# Altium PCB ir-24v-shit5-7.PcbDoc (part 5 of 6) (continued)
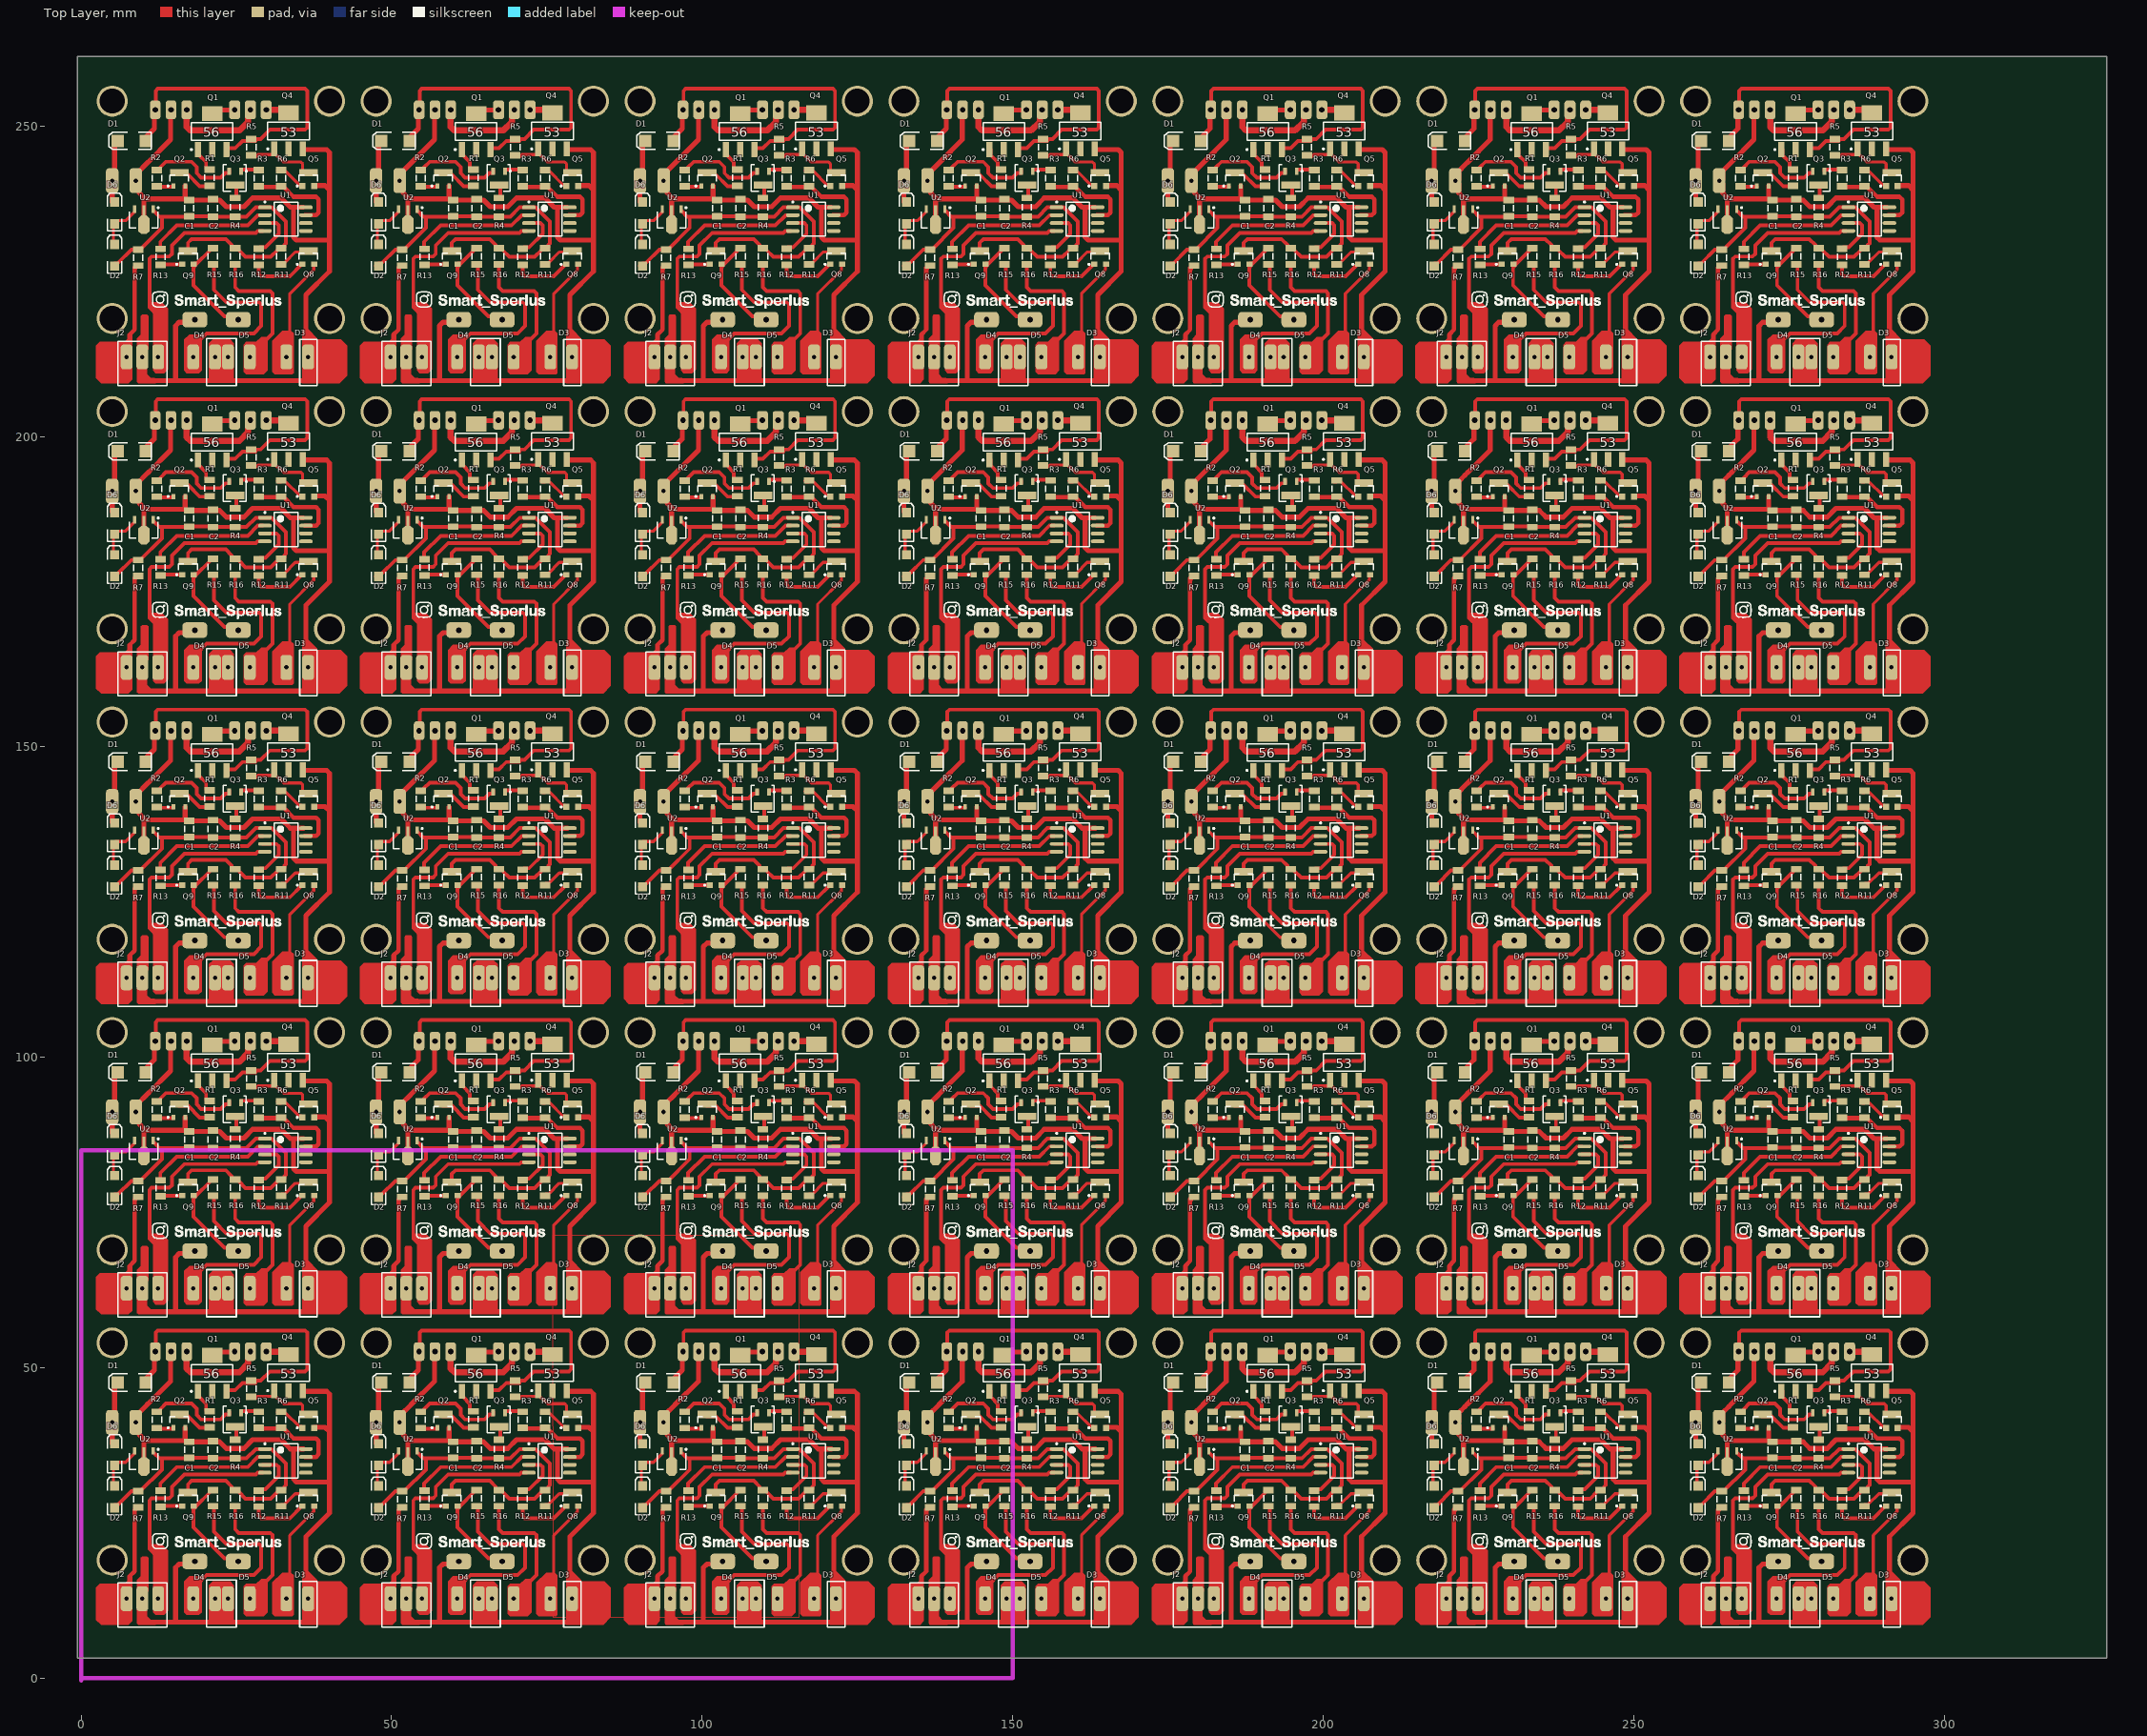
[diagram p0: Top Layer view]
## Nets (pads, with @x,y where several pads share a name; then routed paths per layer and width w, separated by ;. In a path a pad name is that pad's centre, name@x,y a point inside that pad or via, vN(x,y) a via of type N, cw(c..) or ccw(c..) an arc to the next point about the centre after c; other vN are vias at no path point) (continued)
194.57,202.55 194.72,202.4 ; 189.95,252.55 194.57,252.55 194.72,252.4 ; 191.55,13.4 192.6,13.4 ; 191.55,63.4 192.6,63.4 ; 191.55,113.4 192.6,113.4 ; 191.55,163.4 192.6,163.4 ; 191.55,213.4 192.6,213.4 ; 193.65,13.4 192.6,13.4 ; 193.65,63.4 192.6,63.4 ; 193.65,113.4 192.6,113.4 ; 193.65,163.4 192.6,163.4 ; 193.65,213.4 192.6,213.4 ; 205.712,46.2 209.531,46.2 210,45.731 210,39.675 ; 205.712,96.2 209.531,96.2 210,95.731 210,89.675 ; 205.712,146.2 209.531,146.2 210,145.731 210,139.675 ; 205.712,196.2 209.531,196.2 210,195.731 210,189.675 ; 205.712,246.2 209.531,246.2 210,245.731 210,239.675 ; 205.8,36.905 204.4,36.905 ; 205.8,86.905 204.4,86.905 ; 205.8,136.905 204.4,136.905 ; 205.8,186.905 204.4,186.905 ; 205.8,236.905 204.4,236.905 ; 207.55,40.4 209.275,40.4 210,39.675 ; 207.55,90.4 209.275,90.4 210,89.675 ; 207.55,140.4 209.275,140.4 210,139.675 ; 207.55,190.4 209.275,190.4 210,189.675 ; 207.55,240.4 209.275,240.4 210,239.675 ; 217.5,37.792 217.5,41.2 217.9,41.6 217.9,47.15 218.15,47.4 ; 217.5,87.792 217.5,91.2 217.9,91.6 217.9,97.15 218.15,97.4 ; 217.5,137.792 217.5,141.2 217.9,141.6 217.9,147.15 218.15,147.4 ; 217.5,187.792 217.5,191.2 217.9,191.6 217.9,197.15 218.15,197.4 ; 217.5,237.792 217.5,241.2 217.9,241.6 217.9,247.15 218.15,247.4 ; 221.3,41.2 221.838,40.662 221.838,39.262 222.7,38.4 ; 221.3,91.2 221.838,90.662 221.838,89.262 222.7,88.4 ; 221.3,141.2 221.838,140.662 221.838,139.262 222.7,138.4 ; 221.3,191.2 221.838,190.662 221.838,189.262 222.7,188.4 ; 221.3,241.2 221.838,240.662 221.838,239.262 222.7,238.4 ; 221.7,41.2 221.865,41.365 221.865,42.765 222.85,43.75 222.85,43.752 223.319,44.22 223.32,44.22 226.9,47.8 226.9,52.007 ; 221.7,91.2 221.865,91.365 221.865,92.765 222.85,93.75 222.85,93.752 223.319,94.22 223.32,94.22 226.9,97.8 226.9,102.007 ; 221.7,141.2 221.865,141.365 221.865,142.765 222.85,143.75 222.85,143.752 223.319,144.22 223.32,144.22 226.9,147.8 226.9,152.007 ; 221.7,191.2 221.865,191.365 221.865,192.765 222.85,193.75 222.85,193.752 223.319,194.22 223.32,194.22 226.9,197.8 226.9,202.007 ; 221.7,241.2 221.865,241.365 221.865,242.765 222.85,243.75 222.85,243.752 223.319,244.22 223.32,244.22 226.9,247.8 226.9,252.007 ; 222.36,12 222.36,9.469 222.829,9 227.7,9 ; 222.36,62 222.36,59.469 222.829,59 227.7,59 ; 222.36,112 222.36,109.469 222.829,109 227.7,109 ; 222.36,162 222.36,159.469 222.829,159 227.7,159 ; 222.36,212 222.36,209.469 222.829,209 227.7,209 ; 222.6,34.8 222.6,36.4 222.6,38.257 229.388,38.257 ; 222.6,84.8 222.6,86.4 222.6,88.257 229.388,88.257 ; 222.6,134.8 222.6,136.4 222.6,138.257 229.388,138.257 ; 222.6,184.8 222.6,186.4 222.6,188.257 229.388,188.257 ; 222.6,234.8 222.6,236.4 222.6,238.257 229.388,238.257 ; 222.7,47.4 222.7,48 224.3,49.6 224.3,52.598 ; 222.7,97.4 222.7,98 224.3,99.6 224.3,102.598 ; 222.7,147.4 222.7,148 224.3,149.6 224.3,152.598 ; 222.7,197.4 222.7,198 224.3,199.6 224.3,202.598 ; 222.7,247.4 222.7,248 224.3,249.6 224.3,252.598 ; 228.7,18.4 228.292,18.4 227.7,17.808 227.7,9 ; 228.7,68.4 228.292,68.4 227.7,67.808 227.7,59 ; 228.7,118.4 228.292,118.4 227.7,117.808 227.7,109 ; 228.7,168.4 228.292,168.4 227.7,167.808 227.7,159 ; 228.7,218.4 228.292,218.4 227.7,217.808 227.7,209 ; 229.25,40.325 229.25,38.395 229.388,38.257 ; 229.25,90.325 229.25,88.395 229.388,88.257 ; 229.25,140.325 229.25,138.395 229.388,138.257 ; 229.25,190.325 229.25,188.395 229.388,188.257 ; 229.25,240.325 229.25,238.395 229.388,238.257 ; 232.3,38.07 229.9,38.07 229.575,38.07 229.388,38.257 ; 232.3,38.075 234.825,38.075 235.9,37 238.7,37 240.1,38.4 244.7,38.4 246.195,36.905 246.9,36.905 ; 232.3,88.07 229.9,88.07 229.575,88.07 229.388,88.257 ; 232.3,88.075 234.825,88.075 235.9,87 238.7,87 240.1,88.4 244.7,88.4 246.195,86.905 246.9,86.905 ; 232.3,138.07 229.9,138.07 229.575,138.07 229.388,138.257 ; 232.3,138.075 234.825,138.075 235.9,137 238.7,137 240.1,138.4 244.7,138.4 246.195,136.905 246.9,136.905 ; 232.3,188.07 229.9,188.07 229.575,188.07 229.388,188.257 ; 232.3,188.075 234.825,188.075 235.9,187 238.7,187 240.1,188.4 244.7,188.4 246.195,186.905 246.9,186.905 ; 232.3,238.07 229.9,238.07 229.575,238.07 229.388,238.257 ; 232.3,238.075 234.825,238.075 235.9,237 238.7,237 240.1,238.4 244.7,238.4 246.195,236.905 246.9,236.905 ; 232.45,52.55 237.07,52.55 237.22,52.4 ; 232.45,102.55 237.07,102.55 237.22,102.4 ; 232.45,152.55 237.07,152.55 237.22,152.4 ; 232.45,202.55 237.07,202.55 237.22,202.4 ; 232.45,252.55 237.07,252.55 237.22,252.4 ; 234.05,13.4 235.1,13.4 ; 234.05,63.4 235.1,63.4 ; 234.05,113.4 235.1,113.4 ; 234.05,163.4 235.1,163.4 ; 234.05,213.4 235.1,213.4 ; 236.15,13.4 235.1,13.4 ; 236.15,63.4 235.1,63.4 ; 236.15,113.4 235.1,113.4 ; 236.15,163.4 235.1,163.4 ; 236.15,213.4 235.1,213.4 ; 248.212,46.2 252.031,46.2 252.5,45.731 252.5,39.675 ; 248.212,96.2 252.031,96.2 252.5,95.731 252.5,89.675 ; 248.212,146.2 252.031,146.2 252.5,145.731 252.5,139.675 ; 248.212,196.2 252.031,196.2 252.5,195.731 252.5,189.675 ; 248.212,246.2 252.031,246.2 252.5,245.731 252.5,239.675 ; 248.3,36.905 246.9,36.905 ; 248.3,86.905 246.9,86.905 ; 248.3,136.905 246.9,136.905 ; 248.3,186.905 246.9,186.905 ; 248.3,236.905 246.9,236.905 ; 250.05,40.4 251.775,40.4 252.5,39.675 ; 250.05,90.4 251.775,90.4 252.5,89.675 ; 250.05,140.4 251.775,140.4 252.5,139.675 ; 250.05,190.4 251.775,190.4 252.5,189.675 ; 250.05,240.4 251.775,240.4 252.5,239.675 ; 260,37.792 260,41.2 260.4,41.6 260.4,47.15 260.65,47.4 ; 260,87.792 260,91.2 260.4,91.6 260.4,97.15 260.65,97.4 ; 260,137.792 260,141.2 260.4,141.6 260.4,147.15 260.65,147.4 ; 260,187.792 260,191.2 260.4,191.6 260.4,197.15 260.65,197.4 ; 260,237.792 260,241.2 260.4,241.6 260.4,247.15 260.65,247.4 ; 263.8,41.2 264.338,40.662 264.338,39.262 265.2,38.4 ; 263.8,91.2 264.338,90.662 264.338,89.262 265.2,88.4 ; 263.8,141.2 264.338,140.662 264.338,139.262 265.2,138.4 ; 263.8,191.2 264.338,190.662 264.338,189.262 265.2,188.4 ; 263.8,241.2 264.338,240.662 264.338,239.262 265.2,238.4 ; 264.2,41.2 264.365,41.365 264.365,42.765 265.35,43.75 265.35,43.752 265.819,44.22 265.82,44.22 269.4,47.8 269.4,52.007 ; 264.2,91.2 264.365,91.365 264.365,92.765 265.35,93.75 265.35,93.752 265.819,94.22 265.82,94.22 269.4,97.8 269.4,102.007 ; 264.2,141.2 264.365,141.365 264.365,142.765 265.35,143.75 265.35,143.752 265.819,144.22 265.82,144.22 269.4,147.8 269.4,152.007 ; 264.2,191.2 264.365,191.365 264.365,192.765 265.35,193.75 265.35,193.752 265.819,194.22 265.82,194.22 269.4,197.8 269.4,202.007 ; 264.2,241.2 264.365,241.365 264.365,242.765 265.35,243.75 265.35,243.752 265.819,244.22 265.82,244.22 269.4,247.8 269.4,252.007 ; 264.86,12 264.86,9.469 265.329,9 270.2,9 ; 264.86,62 264.86,59.469 265.329,59 270.2,59 ; 264.86,112 264.86,109.469 265.329,109 270.2,109 ; 264.86,162 264.86,159.469 265.329,159 270.2,159 ; 264.86,212 264.86,209.469 265.329,209 270.2,209 ; 265.1,34.8 265.1,36.4 265.1,38.257 271.888,38.257 ; 265.1,84.8 265.1,86.4 265.1,88.257 271.888,88.257 ; 265.1,134.8 265.1,136.4 265.1,138.257 271.888,138.257 ; 265.1,184.8 265.1,186.4 265.1,188.257 271.888,188.257 ; 265.1,234.8 265.1,236.4 265.1,238.257 271.888,238.257 ; 265.2,47.4 265.2,48 266.8,49.6 266.8,52.598 ; 265.2,97.4 265.2,98 266.8,99.6 266.8,102.598 ; 265.2,147.4 265.2,148 266.8,149.6 266.8,152.598 ; 265.2,197.4 265.2,198 266.8,199.6 266.8,202.598 ; 265.2,247.4 265.2,248 266.8,249.6 266.8,252.598 ; 271.2,18.4 270.792,18.4 270.2,17.808 270.2,9 ; 271.2,68.4 270.792,68.4 270.2,67.808 270.2,59 ; 271.2,118.4 270.792,118.4 270.2,117.808 270.2,109 ; 271.2,168.4 270.792,168.4 270.2,167.808 270.2,159 ; 271.2,218.4 270.792,218.4 270.2,217.808 270.2,209 ; 271.75,40.325 271.75,38.395 271.888,38.257 ; 271.75,90.325 271.75,88.395 271.888,88.257 ; 271.75,140.325 271.75,138.395 271.888,138.257 ; 271.75,190.325 271.75,188.395 271.888,188.257 ; 271.75,240.325 271.75,238.395 271.888,238.257 ; 274.8,38.07 272.4,38.07 272.075,38.07 271.888,38.257 ; 274.8,38.075 277.325,38.075 278.4,37 281.2,37 282.6,38.4 287.2,38.4 288.695,36.905 289.4,36.905 ; 274.8,88.07 272.4,88.07 272.075,88.07 271.888,88.257 ; 274.8,88.075 277.325,88.075 278.4,87 281.2,87 282.6,88.4 287.2,88.4 288.695,86.905 289.4,86.905 ; 274.8,138.07 272.4,138.07 272.075,138.07 271.888,138.257 ; 274.8,138.075 277.325,138.075 278.4,137 281.2,137 282.6,138.4 287.2,138.4 288.695,136.905 289.4,136.905 ; 274.8,188.07 272.4,188.07 272.075,188.07 271.888,188.257 ; 274.8,188.075 277.325,188.075 278.4,187 281.2,187 282.6,188.4 287.2,188.4 288.695,186.905 289.4,186.905 ; 274.8,238.07 272.4,238.07 272.075,238.07 271.888,238.257 ; 274.8,238.075 277.325,238.075 278.4,237 281.2,237 282.6,238.4 287.2,238.4 288.695,236.905 289.4,236.905 ; 274.95,52.55 279.57,52.55 279.72,52.4 ; 274.95,102.55 279.57,102.55 279.72,102.4 ; 274.95,152.55 279.57,152.55 279.72,152.4 ; 274.95,202.55 279.57,202.55 279.72,202.4 ; 274.95,252.55 279.57,252.55 279.72,252.4 ; 276.55,13.4 277.6,13.4 ; 276.55,63.4 277.6,63.4 ; 276.55,113.4 277.6,113.4 ; 276.55,163.4 277.6,163.4 ; 276.55,213.4 277.6,213.4 ; 278.65,13.4 277.6,13.4 ; 278.65,63.4 277.6,63.4 ; 278.65,113.4 277.6,113.4 ; 278.65,163.4 277.6,163.4 ; 278.65,213.4 277.6,213.4 ; 290.712,46.2 294.531,46.2 295,45.731 295,39.675 ; 290.712,96.2 294.531,96.2 295,95.731 295,89.675 ; 290.712,146.2 294.531,146.2 295,145.731 295,139.675 ; 290.712,196.2 294.531,196.2 295,195.731 295,189.675 ; 290.712,246.2 294.531,246.2 295,245.731 295,239.675 ; 290.8,36.905 289.4,36.905 ; 290.8,86.905 289.4,86.905 ; 290.8,136.905 289.4,136.905 ; 290.8,186.905 289.4,186.905 ; 290.8,236.905 289.4,236.905 ; 292.55,40.4 294.275,40.4 295,39.675 ; 292.55,90.4 294.275,90.4 295,89.675 ; 292.55,140.4 294.275,140.4 295,139.675 ; 292.55,190.4 294.275,190.4 295,189.675 ; 292.55,240.4 294.275,240.4 295,239.675 ; 15.2,9 22.6,9 ; 15.2,59 22.6,59 ; 15.2,109 22.6,109 ; 15.2,159 22.6,159 ; 15.2,209 22.6,209 ; 22.6,9 22.6,13.4 ; 22.6,9 36.081,9 36.55,9.469 36.55,12 36.55,14.354 36.2,14.704 36.2,22.8 40,26.6 40,31.6 ; 22.6,59 22.6,63.4 ; 22.6,59 36.081,59 36.55,59.469 36.55,62 36.55,64.354 36.2,64.704 36.2,72.8 40,76.6 40,81.6 ; 22.6,109 22.6,113.4 ; 22.6,109 36.081,109 36.55,109.469 36.55,112 36.55,114.354 36.2,114.704 36.2,122.8 40,126.6 40,131.6 ; 22.6,159 22.6,163.4 ; 22.6,159 36.081,159 36.55,159.469 36.55,162 36.55,164.354 36.2,164.704 36.2,172.8 40,176.6 40,181.6 ; 22.6,209 22.6,213.4 ; 22.6,209 36.081,209 36.55,209.469 36.55,212 36.55,214.354 36.2,214.704 36.2,222.8 40,226.6 40,231.6 ; 34.4,36.905 34.2,36.705 34.2,32.069 34.669,31.6 40,31.6 ; 34.4,86.905 34.2,86.705 34.2,82.069 34.669,81.6 40,81.6 ; 34.4,136.905 34.2,136.705 34.2,132.069 34.669,131.6 40,131.6 ; 34.4,186.905 34.2,186.705 34.2,182.069 34.669,181.6 40,181.6 ; 34.4,236.905 34.2,236.705 34.2,232.069 34.669,231.6 40,231.6 ; 40,31.6 40,39.675 ; 40,81.6 40,89.675 ; 40,131.6 40,139.675 ; 40,181.6 40,189.675 ; 40,231.6 40,239.675 ; 57.7,9 65.1,9 ; 57.7,59 65.1,59 ; 57.7,109 65.1,109 ; 57.7,159 65.1,159 ; 57.7,209 65.1,209 ; 65.1,9 65.1,13.4 ; 65.1,9 78.581,9 79.05,9.469 79.05,12 79.05,14.354 78.7,14.704 78.7,22.8 82.5,26.6 82.5,31.6 ; 65.1,59 65.1,63.4 ; 65.1,59 78.581,59 79.05,59.469 79.05,62 79.05,64.354 78.7,64.704 78.7,72.8 82.5,76.6 82.5,81.6 ; 65.1,109 65.1,113.4 ; 65.1,109 78.581,109 79.05,109.469 79.05,112 79.05,114.354 78.7,114.704 78.7,122.8 82.5,126.6 82.5,131.6 ; 65.1,159 65.1,163.4 ; 65.1,159 78.581,159 79.05,159.469 79.05,162 79.05,164.354 78.7,164.704 78.7,172.8 82.5,176.6 82.5,181.6 ; 65.1,209 65.1,213.4 ; 65.1,209 78.581,209 79.05,209.469 79.05,212 79.05,214.354 78.7,214.704 78.7,222.8 82.5,226.6 82.5,231.6 ; 76.9,36.905 76.7,36.705 76.7,32.069 77.169,31.6 82.5,31.6 ; 76.9,86.905 76.7,86.705 76.7,82.069 77.169,81.6 82.5,81.6 ; 76.9,136.905 76.7,136.705 76.7,132.069 77.169,131.6 82.5,131.6 ; 76.9,186.905 76.7,186.705 76.7,182.069 77.169,181.6 82.5,181.6 ; 76.9,236.905 76.7,236.705 76.7,232.069 77.169,231.6 82.5,231.6 ; 82.5,31.6 82.5,39.675 ; 82.5,81.6 82.5,89.675 ; 82.5,131.6 82.5,139.675 ; 82.5,181.6 82.5,189.675 ; 82.5,231.6 82.5,239.675 ; 100.2,9 107.6,9 ; 100.2,59 107.6,59 ; 100.2,109 107.6,109 ; 100.2,159 107.6,159 ; 100.2,209 107.6,209 ; 107.6,9 107.6,13.4 ; 107.6,9 121.081,9 121.55,9.469 121.55,12 121.55,14.354 121.2,14.704 121.2,22.8 125,26.6 125,31.6 ; 107.6,59 107.6,63.4 ; 107.6,59 121.081,59 121.55,59.469 121.55,62 121.55,64.354 121.2,64.704 121.2,72.8 125,76.6 125,81.6 ; 107.6,109 107.6,113.4 ; 107.6,109 121.081,109 121.55,109.469 121.55,112 121.55,114.354 121.2,114.704 121.2,122.8 125,126.6 125,131.6 ; 107.6,159 107.6,163.4 ; 107.6,159 121.081,159 121.55,159.469 121.55,162 121.55,164.354 121.2,164.704 121.2,172.8 125,176.6 125,181.6 ; 107.6,209 107.6,213.4 ; 107.6,209 121.081,209 121.55,209.469 121.55,212 121.55,214.354 121.2,214.704 121.2,222.8 125,226.6 125,231.6 ; 119.4,36.905 119.2,36.705 119.2,32.069 119.669,31.6 125,31.6 ; 119.4,86.905 119.2,86.705 119.2,82.069 119.669,81.6 125,81.6 ; 119.4,136.905 119.2,136.705 119.2,132.069 119.669,131.6 125,131.6 ; 119.4,186.905 119.2,186.705 119.2,182.069 119.669,181.6 125,181.6 ; 119.4,236.905 119.2,236.705 119.2,232.069 119.669,231.6 125,231.6 ; 125,31.6 125,39.675 ; 125,81.6 125,89.675 ; 125,131.6 125,139.675 ; 125,181.6 125,189.675 ; 125,231.6 125,239.675 ; 142.7,9 150.1,9 ; 142.7,59 150.1,59 ; 142.7,109 150.1,109 ; 142.7,159 150.1,159 ; 142.7,209 150.1,209 ; 150.1,9 150.1,13.4 ; 150.1,9 163.581,9 164.05,9.469 164.05,12 164.05,14.354 163.7,14.704 163.7,22.8 167.5,26.6 167.5,31.6 ; 150.1,59 150.1,63.4 ; 150.1,59 163.581,59 164.05,59.469 164.05,62 164.05,64.354 163.7,64.704 163.7,72.8 167.5,76.6 167.5,81.6 ; 150.1,109 150.1,113.4 ; 150.1,109 163.581,109 164.05,109.469 164.05,112 164.05,114.354 163.7,114.704 163.7,122.8 167.5,126.6 167.5,131.6 ; 150.1,159 150.1,163.4 ; 150.1,159 163.581,159 164.05,159.469 164.05,162 164.05,164.354 163.7,164.704 163.7,172.8 167.5,176.6 167.5,181.6 ; 150.1,209 150.1,213.4 ; 150.1,209 163.581,209 164.05,209.469 164.05,212 164.05,214.354 163.7,214.704 163.7,222.8 167.5,226.6 167.5,231.6 ; 161.9,36.905 161.7,36.705 161.7,32.069 162.169,31.6 167.5,31.6 ; 161.9,86.905 161.7,86.705 161.7,82.069 162.169,81.6 167.5,81.6 ; 161.9,136.905 161.7,136.705 161.7,132.069 162.169,131.6 167.5,131.6 ; 161.9,186.905 161.7,186.705 161.7,182.069 162.169,181.6 167.5,181.6 ; 161.9,236.905 161.7,236.705 161.7,232.069 162.169,231.6 167.5,231.6 ; 167.5,31.6 167.5,39.675 ; 167.5,81.6 167.5,89.675 ; 167.5,131.6 167.5,139.675 ; 167.5,181.6 167.5,189.675 ; 167.5,231.6 167.5,239.675 ; 185.2,9 192.6,9 ; 185.2,59 192.6,59 ; 185.2,109 192.6,109 ; 185.2,159 192.6,159 ; 185.2,209 192.6,209 ; 192.6,9 192.6,13.4 ; 192.6,9 206.081,9 206.55,9.469 206.55,12 206.55,14.354 206.2,14.704 206.2,22.8 210,26.6 210,31.6 ; 192.6,59 192.6,63.4 ; 192.6,59 206.081,59 206.55,59.469 206.55,62 206.55,64.354 206.2,64.704 206.2,72.8 210,76.6 210,81.6 ; 192.6,109 192.6,113.4 ; 192.6,109 206.081,109 206.55,109.469 206.55,112 206.55,114.354 206.2,114.704 206.2,122.8 210,126.6 210,131.6 ; 192.6,159 192.6,163.4 ; 192.6,159 206.081,159 206.55,159.469 206.55,162 206.55,164.354 206.2,164.704 206.2,172.8 210,176.6 210,181.6 ; 192.6,209 192.6,213.4 ; 192.6,209 206.081,209 206.55,209.469 206.55,212 206.55,214.354 206.2,214.704 206.2,222.8 210,226.6 210,231.6 ; 204.4,36.905 204.2,36.705 204.2,32.069 204.669,31.6 210,31.6 ; 204.4,86.905 204.2,86.705 204.2,82.069 204.669,81.6 210,81.6 ; 204.4,136.905 204.2,136.705 204.2,132.069 204.669,131.6 210,131.6 ; 204.4,186.905 204.2,186.705 204.2,182.069 204.669,181.6 210,181.6 ; 204.4,236.905 204.2,236.705 204.2,232.069 204.669,231.6 210,231.6 ; 210,31.6 210,39.675 ; 210,81.6 210,89.675 ; 210,131.6 210,139.675 ; 210,181.6 210,189.675 ; 210,231.6 210,239.675 ; 227.7,9 235.1,9 ; 227.7,59 235.1,59 ; 227.7,109 235.1,109 ; 227.7,159 235.1,159 ; 227.7,209 235.1,209 ; 235.1,9 235.1,13.4 ; 235.1,9 248.581,9 249.05,9.469 249.05,12 249.05,14.354 248.7,14.704 248.7,22.8 252.5,26.6 252.5,31.6 ; 235.1,59 235.1,63.4 ; 235.1,59 248.581,59 249.05,59.469 249.05,62 249.05,64.354 248.7,64.704 248.7,72.8 252.5,76.6 252.5,81.6 ; 235.1,109 235.1,113.4 ; 235.1,109 248.581,109 249.05,109.469 249.05,112 249.05,114.354 248.7,114.704 248.7,122.8 252.5,126.6 252.5,131.6 ; 235.1,159 235.1,163.4 ; 235.1,159 248.581,159 249.05,159.469 249.05,162 249.05,164.354 248.7,164.704 248.7,172.8 252.5,176.6 252.5,181.6 ; 235.1,209 235.1,213.4 ; 235.1,209 248.581,209 249.05,209.469 249.05,212 249.05,214.354 248.7,214.704 248.7,222.8 252.5,226.6 252.5,231.6 ; 246.9,36.905 246.7,36.705 246.7,32.069 247.169,31.6 252.5,31.6 ; 246.9,86.905 246.7,86.705 246.7,82.069 247.169,81.6 252.5,81.6 ; 246.9,136.905 246.7,136.705 246.7,132.069 247.169,131.6 252.5,131.6 ; 246.9,186.905 246.7,186.705 246.7,182.069 247.169,181.6 252.5,181.6 ; 246.9,236.905 246.7,236.705 246.7,232.069 247.169,231.6 252.5,231.6 ; 252.5,31.6 252.5,39.675 ; 252.5,81.6 252.5,89.675 ; 252.5,131.6 252.5,139.675 ; 252.5,181.6 252.5,189.675 ; 252.5,231.6 252.5,239.675 ; 270.2,9 277.6,9 ; 270.2,59 277.6,59 ; 270.2,109 277.6,109 ; 270.2,159 277.6,159 ; 270.2,209 277.6,209 ; 277.6,9 277.6,13.4 ; 277.6,9 291.081,9 291.55,9.469 291.55,12 291.55,14.354 291.2,14.704 291.2,22.8 295,26.6 295,31.6 ; 277.6,59 277.6,63.4 ; 277.6,59 291.081,59 291.55,59.469 291.55,62 291.55,64.354 291.2,64.704 291.2,72.8 295,76.6 295,81.6 ; 277.6,109 277.6,113.4 ; 277.6,109 291.081,109 291.55,109.469 291.55,112 291.55,114.354 291.2,114.704 291.2,122.8 295,126.6 295,131.6 ; 277.6,159 277.6,163.4 ; 277.6,159 291.081,159 291.55,159.469 291.55,162 291.55,164.354 291.2,164.704 291.2,172.8 295,176.6 295,181.6 ; 277.6,209 277.6,213.4 ; 277.6,209 291.081,209 291.55,209.469 291.55,212 291.55,214.354 291.2,214.704 291.2,222.8 295,226.6 295,231.6 ; 289.4,36.905 289.2,36.705 289.2,32.069 289.669,31.6 295,31.6 ; 289.4,86.905 289.2,86.705 289.2,82.069 289.669,81.6 295,81.6 ; 289.4,136.905 289.2,136.705 289.2,132.069 289.669,131.6 295,131.6 ; 289.4,186.905 289.2,186.705 289.2,182.069 289.669,181.6 295,181.6 ; 289.4,236.905 289.2,236.705 289.2,232.069 289.669,231.6 295,231.6 ; 295,31.6 295,39.675 ; 295,81.6 295,89.675 ; 295,131.6 295,139.675 ; 295,181.6 295,189.675 ; 295,231.6 295,239.675
  Top Layer w1: 17,51.54 17,49.861 17.586,49.276 25.476,49.276 26.905,50.705 26.905,52.245 27.26,52.6 ; 17,101.54 17,99.861 17.586,99.276 25.476,99.276 26.905,100.705 26.905,102.245 27.26,102.6 ; 17,151.54 17,149.861 17.586,149.276 25.476,149.276 26.905,150.705 26.905,152.245 27.26,152.6 ; 17,201.54 17,199.861 17.586,199.276 25.476,199.276 26.905,200.705 26.905,202.245 27.26,202.6 ; 17,251.54 17,249.861 17.586,249.276 25.476,249.276 26.905,250.705 26.905,252.245 27.26,252.6 ; 29.8,52.6 32.7,52.6 33.4,51.9 ; 29.8,102.6 32.7,102.6 33.4,101.9 ; 29.8,152.6 32.7,152.6 33.4,151.9 ; 29.8,202.6 32.7,202.6 33.4,201.9 ; 29.8,252.6 32.7,252.6 33.4,251.9 ; 59.5,51.54 59.5,49.861 60.086,49.276 67.976,49.276 69.405,50.705 69.405,52.245 69.76,52.6 ; 59.5,101.54 59.5,99.861 60.086,99.276 67.976,99.276 69.405,100.705 69.405,102.245 69.76,102.6 ; 59.5,151.54 59.5,149.861 60.086,149.276 67.976,149.276 69.405,150.705 69.405,152.245 69.76,152.6 ; 59.5,201.54 59.5,199.861 60.086,199.276 67.976,199.276 69.405,200.705 69.405,202.245 69.76,202.6 ; 59.5,251.54 59.5,249.861 60.086,249.276 67.976,249.276 69.405,250.705 69.405,252.245 69.76,252.6 ; 72.3,52.6 75.2,52.6 75.9,51.9 ; 72.3,102.6 75.2,102.6 75.9,101.9 ; 72.3,152.6 75.2,152.6 75.9,151.9 ; 72.3,202.6 75.2,202.6 75.9,201.9 ; 72.3,252.6 75.2,252.6 75.9,251.9 ; 102,51.54 102,49.861 102.586,49.276 110.476,49.276 111.905,50.705 111.905,52.245 112.26,52.6 ; 102,101.54 102,99.861 102.586,99.276 110.476,99.276 111.905,100.705 111.905,102.245 112.26,102.6 ; 102,151.54 102,149.861 102.586,149.276 110.476,149.276 111.905,150.705 111.905,152.245 112.26,152.6 ; 102,201.54 102,199.861 102.586,199.276 110.476,199.276 111.905,200.705 111.905,202.245 112.26,202.6 ; 102,251.54 102,249.861 102.586,249.276 110.476,249.276 111.905,250.705 111.905,252.245 112.26,252.6 ; 114.8,52.6 117.7,52.6 118.4,51.9 ; 114.8,102.6 117.7,102.6 118.4,101.9 ; 114.8,152.6 117.7,152.6 118.4,151.9 ; 114.8,202.6 117.7,202.6 118.4,201.9 ; 114.8,252.6 117.7,252.6 118.4,251.9 ; 144.5,51.54 144.5,49.861 145.086,49.276 152.976,49.276 154.405,50.705 154.405,52.245 154.76,52.6 ; 144.5,101.54 144.5,99.861 145.086,99.276 152.976,99.276 154.405,100.705 154.405,102.245 154.76,102.6 ; 144.5,151.54 144.5,149.861 145.086,149.276 152.976,149.276 154.405,150.705 154.405,152.245 154.76,152.6 ; 144.5,201.54 144.5,199.861 145.086,199.276 152.976,199.276 154.405,200.705 154.405,202.245 154.76,202.6 ; 144.5,251.54 144.5,249.861 145.086,249.276 152.976,249.276 154.405,250.705 154.405,252.245 154.76,252.6 ; 157.3,52.6 160.2,52.6 160.9,51.9 ; 157.3,102.6 160.2,102.6 160.9,101.9 ; 157.3,152.6 160.2,152.6 160.9,151.9 ; 157.3,202.6 160.2,202.6 160.9,201.9 ; 157.3,252.6 160.2,252.6 160.9,251.9 ; 187,51.54 187,49.861 187.586,49.276 195.476,49.276 196.905,50.705 196.905,52.245 197.26,52.6 ; 187,101.54 187,99.861 187.586,99.276 195.476,99.276 196.905,100.705 196.905,102.245 197.26,102.6 ; 187,151.54 187,149.861 187.586,149.276 195.476,149.276 196.905,150.705 196.905,152.245 197.26,152.6 ; 187,201.54 187,199.861 187.586,199.276 195.476,199.276 196.905,200.705 196.905,202.245 197.26,202.6 ; 187,251.54 187,249.861 187.586,249.276 195.476,249.276 196.905,250.705 196.905,252.245 197.26,252.6 ; 199.8,52.6 202.7,52.6 203.4,51.9 ; 199.8,102.6 202.7,102.6 203.4,101.9 ; 199.8,152.6 202.7,152.6 203.4,151.9 ; 199.8,202.6 202.7,202.6 203.4,201.9 ; 199.8,252.6 202.7,252.6 203.4,251.9 ; 229.5,51.54 229.5,49.861 230.086,49.276 237.976,49.276 239.405,50.705 239.405,52.245 239.76,52.6 ; 229.5,101.54 229.5,99.861 230.086,99.276 237.976,99.276 239.405,100.705 239.405,102.245 239.76,102.6 ; 229.5,151.54 229.5,149.861 230.086,149.276 237.976,149.276 239.405,150.705 239.405,152.245 239.76,152.6 ; 229.5,201.54 229.5,199.861 230.086,199.276 237.976,199.276 239.405,200.705 239.405,202.245 239.76,202.6 ; 229.5,251.54 229.5,249.861 230.086,249.276 237.976,249.276 239.405,250.705 239.405,252.245 239.76,252.6 ; 242.3,52.6 245.2,52.6 245.9,51.9 ; 242.3,102.6 245.2,102.6 245.9,101.9 ; 242.3,152.6 245.2,152.6 245.9,151.9 ; 242.3,202.6 245.2,202.6 245.9,201.9 ; 242.3,252.6 245.2,252.6 245.9,251.9 ; 272,51.54 272,49.861 272.586,49.276 280.476,49.276 281.905,50.705 281.905,52.245 282.26,52.6 ; 272,101.54 272,99.861 272.586,99.276 280.476,99.276 281.905,100.705 281.905,102.245 282.26,102.6 ; 272,151.54 272,149.861 272.586,149.276 280.476,149.276 281.905,150.705 281.905,152.245 282.26,152.6 ; 272,201.54 272,199.861 272.586,199.276 280.476,199.276 281.905,200.705 281.905,202.245 282.26,202.6 ; 272,251.54 272,249.861 272.586,249.276 280.476,249.276 281.905,250.705 281.905,252.245 282.26,252.6 ; 284.8,52.6 287.7,52.6 288.4,51.9 ; 284.8,102.6 287.7,102.6 288.4,101.9 ; 284.8,152.6 287.7,152.6 288.4,151.9 ; 284.8,202.6 287.7,202.6 288.4,201.9 ; 284.8,252.6 287.7,252.6 288.4,251.9

## Polygon pours and split planes (outlines as drawn)
GND on Top Layer "NONET_L01_P024" (hatched 90Degree grid 0.5 track 0.2, shelved, pour order 24): 75.946,71.374 115.697,71.374 115.57,71.247 115.57,9.779 76.073,9.779

## Keep-outs
Keep-Out Layer:
  lines w0.7: 0,-0.381 0,85 150,85 150,0 0,0

## Other copper
Top Layer:
  drawing of 350 lines, arcs and shapes, not listed

## Silkscreen, mask and mechanical layers (free items; w line width, h text height)
Top Overlay:
  drawing of 840 lines, arcs and shapes, not listed
  text "56" at 19.654,248.254 h1.52
  text "53" at 32.054,248.254 h1.52
  text "56" at 62.154,248.254 h1.52
  text "53" at 74.554,248.254 h1.52
  text "56" at 104.654,248.254 h1.52
  text "53" at 117.054,248.254 h1.52
  text "56" at 147.154,248.254 h1.52
  text "53" at 159.554,248.254 h1.52
  text "56" at 189.654,248.254 h1.52
  text "53" at 202.054,248.254 h1.52
  text "56" at 232.154,248.254 h1.52
  text "53" at 244.554,248.254 h1.52
  text "56" at 274.654,248.254 h1.52
  text "53" at 287.054,248.254 h1.52
  text "56" at 19.654,198.254 h1.52
  text "53" at 32.054,198.254 h1.52
  text "56" at 62.154,198.254 h1.52
  text "53" at 74.554,198.254 h1.52
  text "56" at 104.654,198.254 h1.52
  text "53" at 117.054,198.254 h1.52
  text "56" at 147.154,198.254 h1.52
  text "53" at 159.554,198.254 h1.52
  text "56" at 189.654,198.254 h1.52
  text "53" at 202.054,198.254 h1.52
  text "56" at 232.154,198.254 h1.52
  text "53" at 244.554,198.254 h1.52
  text "56" at 274.654,198.254 h1.52
  text "53" at 287.054,198.254 h1.52
  text "56" at 19.654,148.254 h1.52
  text "53" at 32.054,148.254 h1.52
  text "56" at 62.154,148.254 h1.52
  text "53" at 74.554,148.254 h1.52
  text "56" at 104.654,148.254 h1.52
  text "53" at 117.054,148.254 h1.52
  text "56" at 147.154,148.254 h1.52
  text "53" at 159.554,148.254 h1.52
  text "56" at 189.654,148.254 h1.52
  text "53" at 202.054,148.254 h1.52
  text "56" at 232.154,148.254 h1.52
  text "53" at 244.554,148.254 h1.52
  text "56" at 274.654,148.254 h1.52
  text "53" at 287.054,148.254 h1.52
  text "56" at 19.654,98.254 h1.52
  text "53" at 32.054,98.254 h1.52
  text "56" at 62.154,98.254 h1.52
  text "53" at 74.554,98.254 h1.52
  text "56" at 104.654,98.254 h1.52
  text "53" at 117.054,98.254 h1.52
  text "56" at 147.154,98.254 h1.52
  text "53" at 159.554,98.254 h1.52
  text "56" at 189.654,98.254 h1.52
  text "53" at 202.054,98.254 h1.52
  text "56" at 232.154,98.254 h1.52
  text "53" at 244.554,98.254 h1.52
  text "56" at 274.654,98.254 h1.52
  text "53" at 287.054,98.254 h1.52
  text "56" at 19.654,48.254 h1.52
  text "53" at 32.054,48.254 h1.52
  text "56" at 62.154,48.254 h1.52
  text "53" at 74.554,48.254 h1.52
  text "56" at 104.654,48.254 h1.52
  text "53" at 117.054,48.254 h1.52
  text "56" at 147.154,48.254 h1.52
  text "53" at 159.554,48.254 h1.52
  text "56" at 189.654,48.254 h1.52
  text "53" at 202.054,48.254 h1.52
  text "56" at 232.154,48.254 h1.52
  text "53" at 244.554,48.254 h1.52
  text "56" at 274.654,48.254 h1.52
  text "53" at 287.054,48.254 h1.52